# KiCad board Duet3_MB.kicad_pcb (continued)
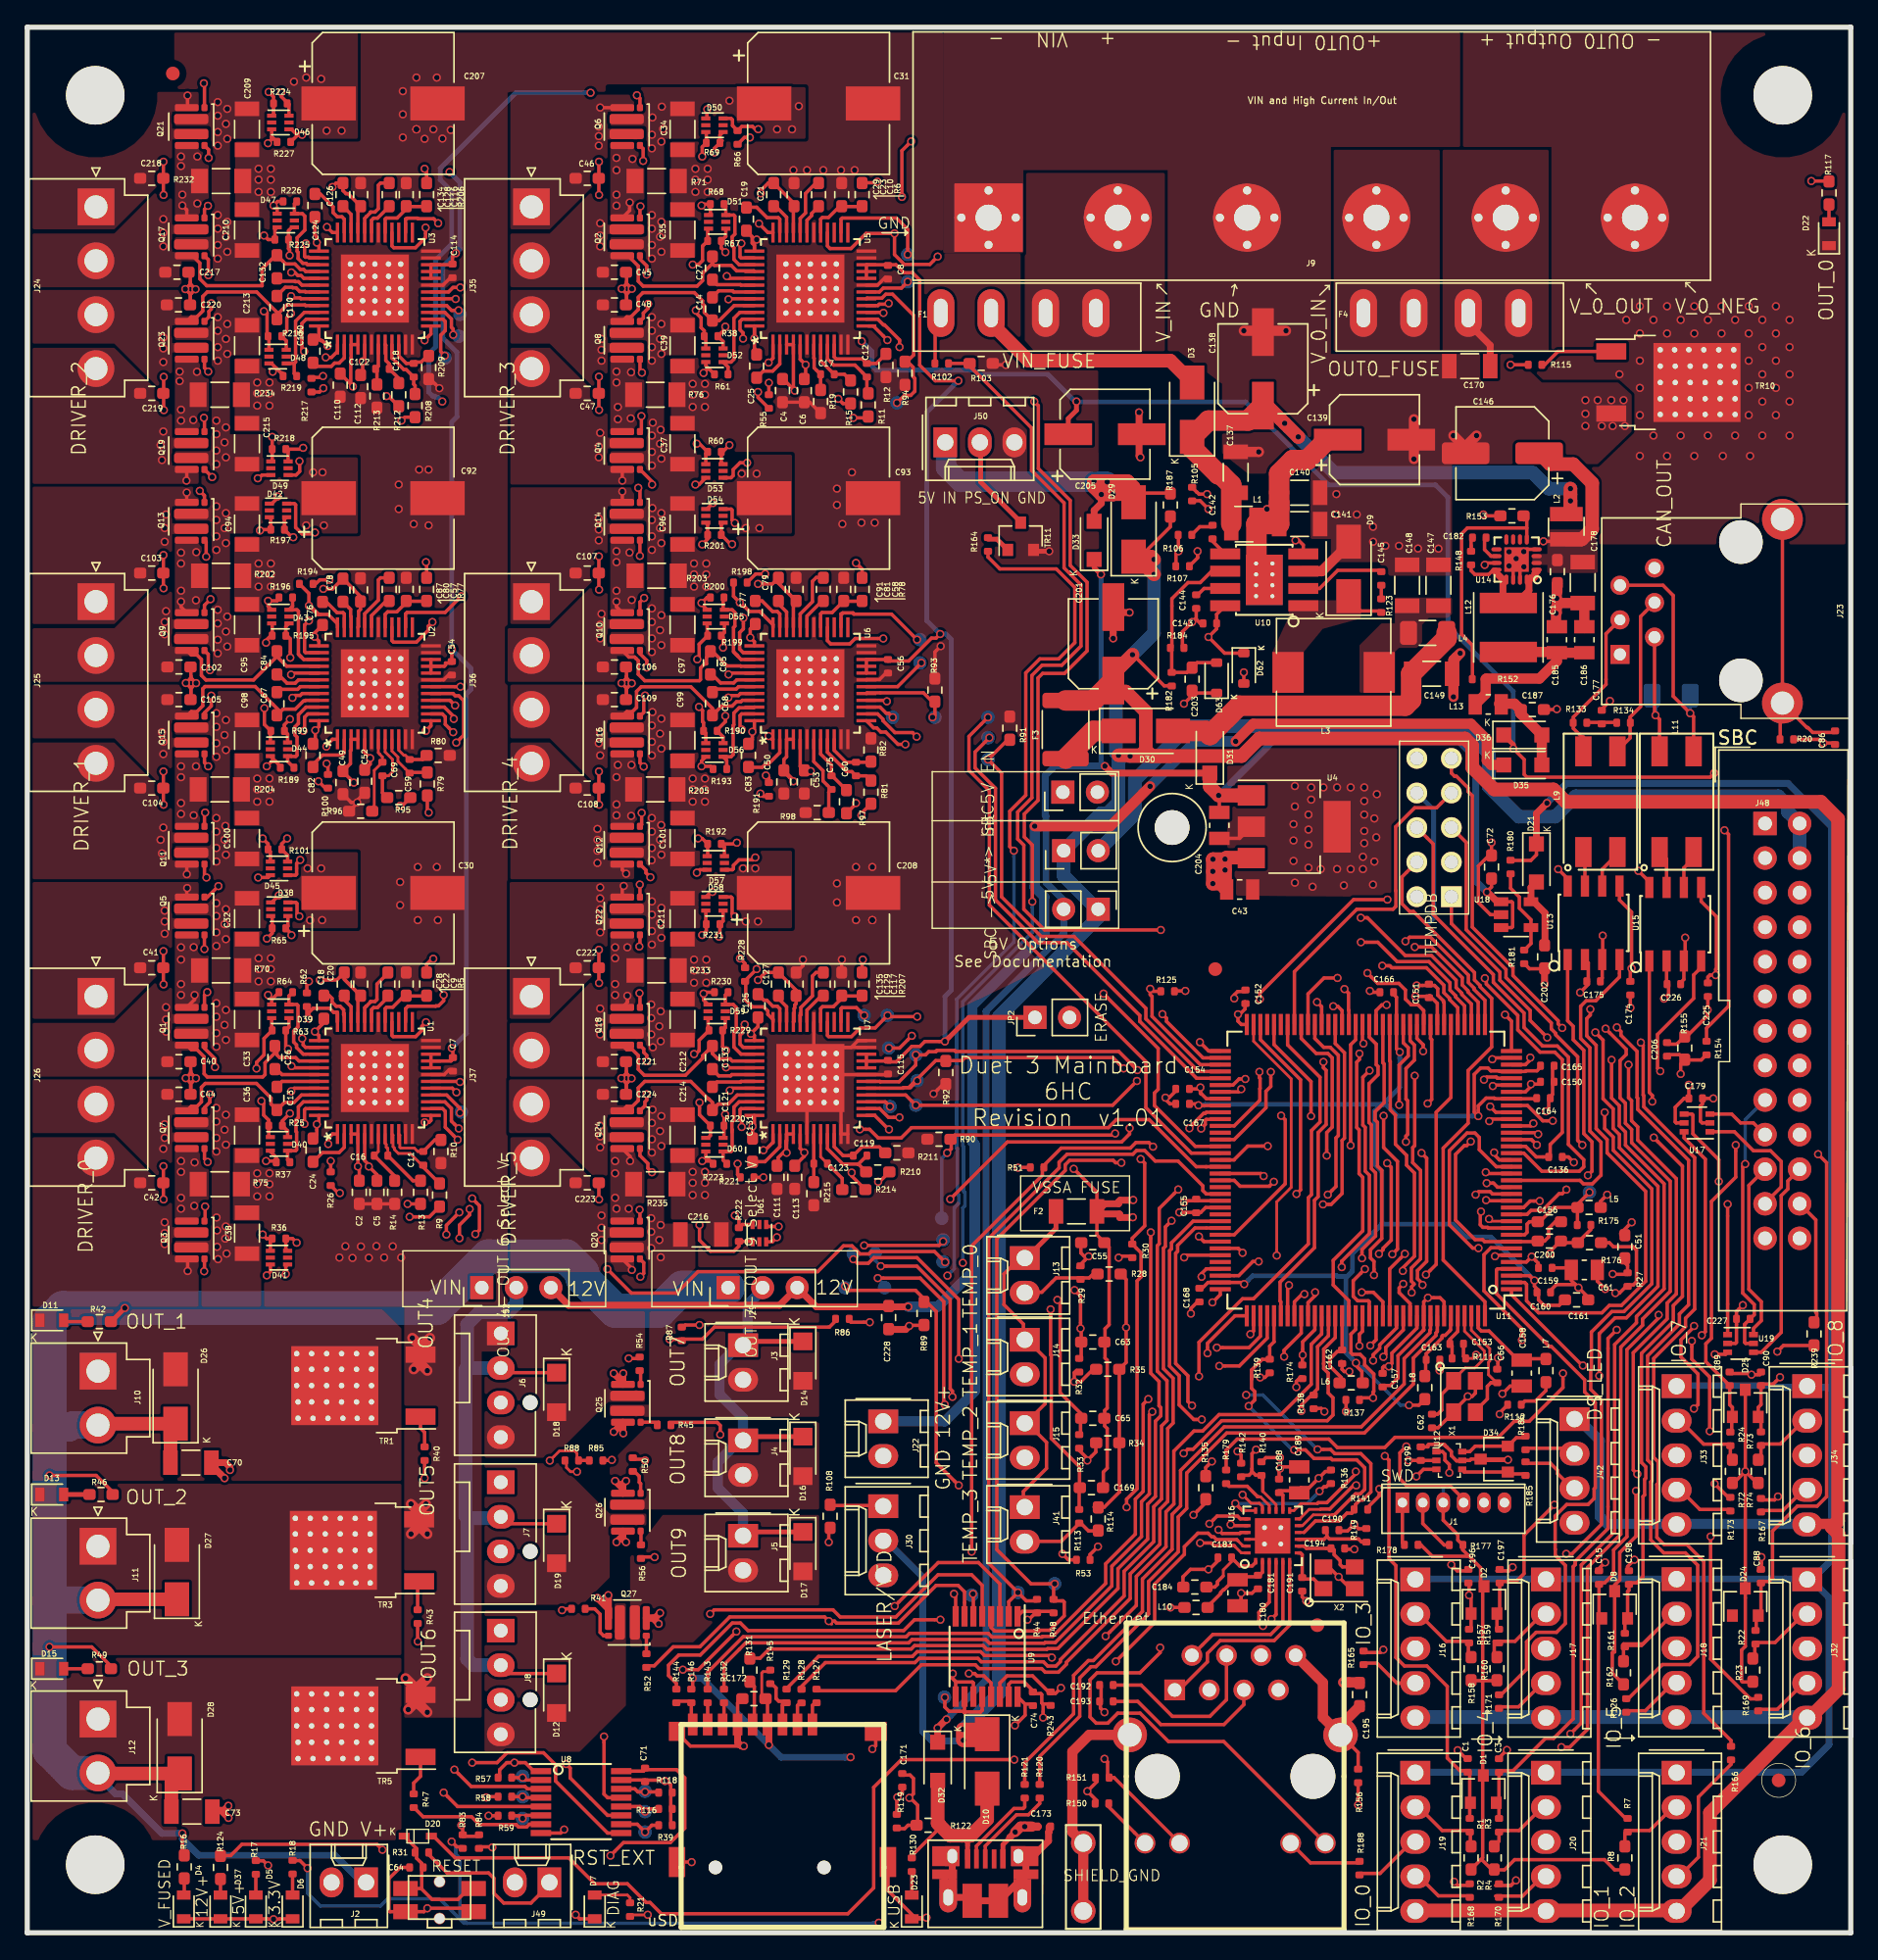
[diagram p0: board, top side]
## Routing (per net, layer and track width the routed paths; a pad name or vN(x,y) marks a point on that pad's centre or on a via; arc(x,y) is an arc through that point) (continued)
/Stepper Driver & Endstops/D5_SRAH: length 4.7
  Top w0.2: C123.2 58.3,57.01 U7.8
  Top w0.25: C123.2 59.89,55.42 R214.1
/Stepper Driver & Endstops/D5_SRAL: length 5.2
  Top w0.2: U7.7 57.8,56.69
  Top w0.25: C123.1 R215.1 ; 57.8,56.8 U7.7
/Stepper Driver & Endstops/D5_SRAT: length 28.7
  Top w0.25: Q18.2 44.1,68.37 v1(44.1,68.84) ; R214.2 60.58,55.61 v1(60.58,55.85)
  In1.Cu w0.25: v1(44.1,68.84) 44.1,63.98 45.16,62.92 51.51,62.92 55.18,59.25 55.18,57.02 56.35,55.85 v1(60.58,55.85)
  vias: v1(43.2,72.4) v1(43.2,71.6) v1(43.2,69.7) v1(43.2,68.9) v1(44.1,72.4)
/Stepper Driver & Endstops/D5_SRBH: length 5.6
  Top w0.25: 61.05,56.45 61.03,56.47 59.94,56.47 58.8,57.61 U7.9 ; 61.05,56.45 C119.2 ; 61.05,56.45 61.1,56.45 R210.1
/Stepper Driver & Endstops/D5_SRBL: length 5.4
  Top w0.25: R211.1 62.62,57.73 61.33,57.73 C119.1 59.95,57.1 59.3,57.75 U7.10
/Stepper Driver & Endstops/D5_SRBT: length 25.6
  Top w0.25: R210.2 62.63,55.18 v1(62.53,55.18) ; Q24.3 44.3,57.04 v1(44.3,56.7)
  In1.Cu w0.25: v1(62.53,55.18) 61.93,54.58 56.82,54.58 54.73,56.67 54.73,58.82 53.54,60.01 52.06,60.01 49.37,57.33 47.99,57.33 47.36,56.7 v1(44.3,56.7)
  vias: v1(43.2,56.7) v1(43.2,55.8) v1(43.2,54) v1(43.3,53.2) v1(44.2,53.2)
/Stepper Driver & Endstops/D5_VCC: length 4.5
  Top w0.25: U7.29 58.3,67.9 58.44,68.04 59.24,68.04 59.85,68.65 59.85,68.82 61.35,68.82
/Stepper Driver & Endstops/D5_VCP: length 2.2
  Top w0.25: U7.34 55.8,68.04 55.2,68.64 C127.1
CAN0_H: length 10.3
  Top w0.25: J23.2 119.58,89.52 v1(119.65,89.45) 119.95,89.15 L11.4
  Bottom w0.25: 119.4,91.1 119.65,90.85 v1(119.65,89.45)
CAN0_L: length 17
  Top w0.25: v1(122.2,89.6) 120.95,90.85 120.95,98.25 120.2,99 J23.5 ; v1(122.2,89.6) 122.15,89.55 ; v1(122.2,89.6) 122.45,89.35 L11.3
  Bottom w0.25: 122.1,90.2 122.2,90.1 v1(122.2,89.6)
CAN1_H: length 11.4
  Top w0.25: J23.3 116.01,95.44 116.01,91.72 113.62,89.32 113.62,88.48 114.25,87.85 114.35,87.85 114.35,86.85
CAN1_L: length 12
  Top w0.25: J23.4 118.55,96.71 118.55,90.09 117.78,89.32 117.78,87.78 116.85,86.85
CANRX0: length 23.9
  Top w0.25: U11.31 107.77,62.28 v1(107.7,62.21) ; v1(120,63.3) 119.8,63.5 119.8,66 122.46,68.66 122.46,70.38 123,70.93 U15.4
  In1.Cu w0.25: v1(120,63.3) 119.7,63 117.52,63 117.23,63.29 111.32,63.29 111.17,63.14 108.63,63.14 v1(107.7,62.21)
CANRX1: length 25
  Top w0.25: U11.17 114.1,55.28 114.35,55.03 115.01,55.03 115.65,55.66 115.65,58.09 114.83,58.9 114.83,65.02 114.15,65.7 114.15,68.07 114.56,68.48 115.26,68.48 117,70.22 U13.4
CANTX0: length 24.7
  Top w0.25: v1(119.42,61.07) 119.42,61.52 119.19,61.74 U15.1 ; U11.26 107.58,59.78 v1(107.43,59.63)
  In1.Cu w0.25: v1(119.42,61.07) 112.01,61.07 112,61.08 108.88,61.08 v1(107.43,59.63)
CANTX1: length 45
  Top w0.25: v1(91.6,55.18) 91.27,54.84 89.13,54.84 88.69,55.28 U11.92 ; v1(114.68,55.65) 114.98,55.95 114.98,58.11 114.38,58.71 114.38,64.84 113.6,65.61 113.6,66.6 113.19,67 U13.1
  In1.Cu w0.25: v1(114.68,55.65) 108.29,55.65 107.44,56.5 106.7,56.5 105.97,55.77 93.98,55.77 93.94,55.81 92.59,55.81 91.96,55.18 v1(91.6,55.18)
DIAG_LED: length 82.2
  Top w0.2: 44.3,1.31 45.59,1.31 v1(45.6,1.33)
  Top w0.25: v1(79.25,21.79) 81.5,24.05 81.5,26.18 83.68,28.36 83.68,30.93 84.26,31.5 84.26,35.39 85.74,36.87 86.38,36.87 87.58,38.07 92.13,38.07 94.35,40.3 94.35,43.23 95.12,44 U11.120
  In1.Cu w0.25: v1(79.25,21.79) 79.25,17.17 73.95,11.88 67.82,11.88 62.85,6.91 62.85,2.44 61.35,0.94 45.99,0.94 v1(45.6,1.33)
DRIVER_0_A+: length 21.5
  Top w0.25: Q5.2 11.73,76.72 v1(11.75,76.75) ; 21.7,67.05 21.7,66.77 v1(21.14,66.21) 21.15,66.21 21.44,65.92 U1.37
  In1.Cu w0.25: v1(21.14,66.21) 20.62,66.21 20.51,66.33 20.15,66.33 18.98,67.5 18.98,70.44 20.04,71.5 20.04,73.58 18.1,75.51 17.3,75.51 16.55,76.27 12.24,76.27 v1(11.75,76.75) 11.67,76.84
  vias: v1(10.1,75.1) v1(10.1,74.3) v1(10.1,73.4)
DRIVER_0_A-: length 13.8
  Top w0.25: 18.35,65.15 18.35,64.49 18.54,64.3 19.72,64.3 19.97,64.05 U1.40 ; C26.1 18.2,64.64 17.47,63.92 17.47,63.05 17.3,62.87 13.24,62.87 13,63.11 13,64.36 12.48,64.88 12.06,64.88 Q1.3
  vias: v1(10.2,68) v1(10.2,67.1) v1(10.2,66.2)
DRIVER_0_B+: length 12.7
  Top w0.25: Q7.2 12.06,60.72 12.48,60.72 12.8,61.04 12.8,62.12 13.08,62.4 16.85,62.4 17.92,61.33 17.92,60.88 C13.1 18.91,61.01 19.61,61.01 20.15,61.55 U1.45
  vias: v1(10,57.6) v1(10.1,59.4) v1(10.1,58.4)
DRIVER_0_B-: length 22.3
  Top w0.25: v1(11.79,48.62) 11.79,49.44 Q3.3 ; 21,58.38 21.28,58.66 v1(21.28,59.4) 21.44,59.55 U1.48
  In1.Cu w0.25: v1(21.28,59.4) 21.28,50.84 20.31,49.87 18.27,49.87 17.02,48.62 14.01,48.62 13.3,49.33 12.5,49.33 v1(11.79,48.62)
  vias: v1(10.1,52.2) v1(10.1,51.4) v1(10.1,50.6)
DRIVER_0_DIAG0: length 100.1
  Top w0.25: v1(87.09,46.31) 87.1,46.31 87.67,46.88 U11.108 ; v1(62.72,48.97) 65.37,48.97 67.82,46.53 67.82,39.96 67.99,39.8 v1(67.99,39.37) ; U1.26 27.8,67.9 27.98,68.07 30.01,68.07 30.04,68.1 30.22,68.1 30.6,68.48 v1(30.6,68.9)
  In1.Cu w0.25: v1(67.99,39.37) 68.36,39.75 72.02,39.75 72.39,39.38 78.44,39.38 81.55,42.49 81.61,42.49 85.43,46.31 v1(87.09,46.31) ; v1(30.6,68.9) 30.6,67.78 32.65,65.73 32.65,61.93 31.84,61.13 31.76,61.13 31.07,60.45 31.07,59.34 30.73,58.99 30.73,58.88 29.72,57.88 29.72,50.71 30.96,49.48 39.42,49.48 40.56,48.34 40.56,47.28 42.6,45.23 47.04,45.23 50.39,48.58 61.9,48.58 62.3,48.97 v1(62.72,48.97)
  Bottom w0.25: TP3.1 62.3,49.4 v1(62.72,48.97)
DRIVER_0_DIR: length 93.8
  Top w0.25: v1(62.5,48.1) 65.61,48.1 67.35,46.36 67.35,38.88 v1(67.42,38.81) ; U11.109 88.75,45.33 86.73,43.31 v1(86.73,42.58) ; v1(31.8,62.51) 31.76,62.55 U1.18
  In1.Cu w0.25: v1(62.5,48.1) 61.72,48.1 59.4,45.77 49,45.77 47.55,44.33 42.2,44.33 39.66,46.88 39.66,47.96 39.04,48.58 30.59,48.58 28.82,50.34 28.82,58.26 29.83,59.26 29.83,59.36 30.17,59.71 30.17,61.31 31.38,62.51 v1(31.8,62.51) ; v1(67.42,38.81) 67.72,38.51 69.4,38.51 69.78,38.89 78.6,38.89 81.75,42.04 81.8,42.04 82.33,42.58 v1(86.73,42.58)
  Bottom w0.25: v1(62.5,48.1) 63,47.6 TP2.1
DRIVER_0_SDO: length 36.1
  Top w0.25: U1.16 30.82,61.55 31.8,60.58 v1(31.8,60.25) ; U2.15 30.65,90.05 31.35,89.35 v1(31.35,89.19)
  In1.Cu w0.25: v1(31.8,60.25) 33.2,61.65 33.2,66.23 32.23,67.2 32.23,68.3 32.17,68.36 32.17,81.63 32.18,81.64 32.18,85.08 30.35,86.91 30.35,87.97 30.37,87.99 30.37,88.22 v1(31.35,89.19)
DRIVER_0_STEP: length 101.1
  Top w0.25: v1(68.45,32.87) 66.8,34.53 66.8,45.64 66.06,46.38 65.9,46.38 ; v1(87.42,42.99) 89.78,42.99 90.62,43.83 U11.111 ; 66.1,46.38 65.27,47.2 60.4,47.2 v1(60.1,47.5) ; U1.17 31.24,62.05 v1(31.54,61.75)
  In1.Cu w0.25: v1(87.42,42.99) 87.42,42.35 87.03,41.96 82.34,41.96 81.98,41.59 81.94,41.59 80.4,40.06 80.4,36.27 77.01,32.87 v1(68.45,32.87) ; v1(60.1,47.5) 58.82,46.22 48.81,46.22 47.37,44.78 42.39,44.78 40.11,47.07 40.11,48.15 39.23,49.03 30.78,49.03 29.27,50.53 29.27,58.07 30.28,59.07 30.28,59.17 30.62,59.52 30.62,60.83 v1(31.54,61.75)
DRIVER_1_A+: length 19.7
  Top w0.25: U2.37 21.44,94.89 v1(21.11,95.22) 21.11,95.49 C76.1 ; v1(11.72,105.81) 11.72,105.09 Q13.2
  In1.Cu w0.25: v1(11.72,105.81) 12.22,105.31 12.98,105.31 13.1,105.43 14.2,105.43 14.31,105.31 16.06,105.31 18.83,102.54 18.83,102.33 19.64,101.52 19.64,98 19.62,97.99 19.62,96.88 19.78,96.72 19.78,96.12 20.69,95.22 v1(21.11,95.22)
  vias: v1(10.1,103.2) v1(10.1,102.2) v1(10.2,104.2)
DRIVER_1_A-: length 12.3
  Top w0.25: U2.40 21.43,93.06 19.06,93.06 18.35,93.76 16.63,92.04 13.14,92.04 12.8,92.38 12.8,93.56 12.48,93.88 12.06,93.88 Q9.3
  vias: v1(10.1,96.3) v1(10.1,95.4) v1(10.2,97.1)
DRIVER_1_B+: length 12.7
  Top w0.25: C67.1 18.8,89.9 19.7,89.9 20.3,90.5 20.4,90.5 20.45,90.55 U2.45 ; Q15.2 12.06,89.72 12.48,89.72 12.9,90.14 12.9,91.4 13.06,91.56 16.75,91.56 18.52,89.79
  vias: v1(9.9,88.2) v1(10,87.5) v1(10,86.6)
DRIVER_1_B-: length 20.5
  Top w0.25: v1(11.73,77.77) 11.73,77.78 Q11.3 ; U2.48 21.44,88.62 v1(21.17,88.35) 21.17,87.54 21,87.38
  In1.Cu w0.25: v1(11.73,77.77) 12.12,78.16 13.48,78.16 13.57,78.07 16.58,78.07 18.29,79.77 19.5,79.77 20.71,80.98 20.71,84.95 21.17,85.41 v1(21.17,88.35)
  vias: v1(9.8,80.3) v1(9.9,79.3) v1(10,81.2)
DRIVER_1_DIAG0: length 119.1
  Top w0.25: v1(31.9,98.2) 30.71,97.01 27.91,97.01 27.8,96.9 U2.26 ; v1(67.45,49.27) 66.67,50.05 62.03,50.05 61.85,49.88 61.2,49.88 60.61,50.47 59.98,50.47 58.09,48.58 49.29,48.58 47.71,47 44.39,47 v1(42.63,48.76) ; U11.103 85.18,49.78 v1(85.02,49.62) ; v1(32.7,53.95) 33.23,53.42 33.23,51.63 v1(32.93,51.33)
  In1.Cu w0.25: v1(67.45,49.27) 68.17,49.99 69.65,49.99 71.35,48.29 71.35,46.99 73.34,45 76.77,45 77,45.23 80.62,45.23 v1(85.02,49.62) ; v1(31.9,98.2) 35.37,94.73 35.37,56.63 v1(32.7,53.95) ; v1(32.93,51.33) 39.47,51.33 42.04,48.76 v1(42.63,48.76)
DRIVER_1_DIR: length 110
  Top w0.25: v1(31.76,51.03) 31.76,52 32.51,52.75 v1(32.51,53.17) ; v1(61.5,50.5) 67,50.5 v1(67.3,50.8) ; U2.18 v1(31.83,91.55) ; U11.101 86.47,50.78 v1(86.1,51.16)
  In1.Cu w0.25: v1(86.1,51.16) 86.04,51.21 83.66,51.21 79.86,47.41 78.52,47.41 77.69,46.58 76.67,46.58 74.95,48.3 71.98,48.3 69.48,50.8 v1(67.3,50.8) ; v1(31.83,91.55) 34.92,88.46 34.92,57.7 32.03,54.8 32.03,53.66 v1(32.51,53.17) ; v1(61.5,50.5) 60.84,50.5 59.81,49.48 50.02,49.48 46.67,46.13 42.98,46.13 41.46,47.65 41.46,48.71 39.79,50.38 32.42,50.38 v1(31.76,51.03)
DRIVER_1_SDO: length 35.2
  Top w0.25: v1(31.3,117.4) 31.3,117.82 31.17,117.95 31.17,118.57 30.69,119.05 U3.15 ; U2.16 31.06,90.55 v1(31.44,90.17)
  In1.Cu w0.25: v1(31.44,90.17) 31.14,90.47 31,90.47 30.35,91.12 30.35,91.19 30.02,91.52 30.02,94.83 30.4,95.21 30.4,98.7 32.13,100.43 32.13,113.84 30.96,115 30.64,115 30.06,115.59 30.06,116.16 v1(31.3,117.4)
DRIVER_1_STEP: length 133.2
  Top w0.25: U11.100 88.69,51.28 92.44,55.03 92.44,59.73 v1(92.14,60.03) ; v1(31.75,52.93) 30.8,51.98 v1(30.8,51.3) ; v1(79.94,58.73) 79.82,58.61 68.16,58.61 67.9,58.35 67.9,57.6 v1(67.6,57.3) ; U2.17 31.28,91.05 31.45,90.88 31.71,90.88 32.07,90.53 32.07,87.98 v1(31.52,87.44)
  In1.Cu w0.25: v1(67.6,57.3) 67,57.3 59.63,49.93 49.83,49.93 46.49,46.58 43.26,46.58 43.25,46.59 43.25,49.06 42.93,49.38 42.05,49.38 39.44,52 32.55,52 32.21,51.66 31.16,51.66 v1(30.8,51.3) ; v1(31.52,87.44) 34.47,84.49 34.47,57.89 31.58,54.99 31.58,53.1 v1(31.75,52.93) ; v1(92.14,60.03) 92.11,60 89.18,60 88.9,59.71 85.56,59.71 85.3,59.98 82.76,59.98 81.2,58.43 80.24,58.43 v1(79.94,58.73)
  Bottom w0.25: TP4.1 67.2,56.9 v1(67.6,57.3)
DRIVER_2_A+: length 22.2
  Top w0.25: Q21.2 11.78,134.14 v1(11.78,134.98) ; C124.1 21.14,124.75 21.28,124.61 v1(21.28,124.18) 21.44,124.03 U3.37
  In1.Cu w0.25: v1(11.78,134.98) 12.2,134.98 12.43,135.21 16.73,135.21 19.21,132.73 20.5,132.73 20.83,132.4 20.83,131.99 21.28,131.54 v1(21.28,124.18)
DRIVER_2_A-: length 13.5
  Top w0.25: U3.40 20.47,122.05 20.31,122.21 20.07,122.21 19.67,122.61 18.99,122.61 C132.1 18.26,123.25 17.26,122.25 17.26,121.01 13.19,121.01 12.69,121.51 12.69,122.67 12.15,123.21 Q17.3
  vias: v1(10,125.9) v1(10,124.9) v1(10,123.9)
DRIVER_2_B+: length 13
  Top w0.25: Q23.2 12.06,118.72 12.47,118.72 12.9,119.15 12.9,120.22 13.23,120.55 16.86,120.55 18.35,119.06 C120.1 18.35,118.87 19.08,119.6 20.41,119.6 20.45,119.55 U3.45
  vias: v1(10,117.2) v1(10,116.4) v1(10,115.4)
DRIVER_2_B-: length 24.6
  Top w0.25: Q19.3 11.73,106.72 v1(11.7,106.69) ; 21.57,116.98 21.67,116.98 v1(22.07,116.58) ; 21.57,116.98 21.5,117.05 20.8,117.05 ; 21.57,116.98 21.44,117.11 U3.48
  In1.Cu w0.25: v1(22.07,116.58) 22.6,116.05 22.6,114.8 22.41,114.61 22.41,112.53 22.36,112.48 22.36,107.05 21.8,106.49 17.67,106.49 17.23,106.04 16.6,106.04 16.43,106.22 14.68,106.22 14.57,106.33 13.23,106.33 12.86,106.69 v1(11.7,106.69)
  vias: v1(9.8,109.3) v1(9.9,108.2) v1(10,110.3)
DRIVER_2_DIAG0: length 135.5
  Top w0.25: v1(70.6,89.3) 69.2,87.9 69.2,85.4 70.7,83.9 70.7,75.5 82.2,64 82.2,60.62 85.54,57.28 U11.88 ; v1(30.2,125.6) 29.87,125.93 28.72,125.93 28.68,125.97 27.92,125.97 27.88,125.93 27.83,125.93 27.8,125.9 U3.26
  In1.Cu w0.25: v1(70.6,89.3) 70.6,103.34 66,107.94 66,111.02 67.1,112.12 67.1,115.71 68.95,117.56 68.95,120.65 67.85,121.75 67.29,121.75 66.28,122.77 66.28,128.57 57,137.85 39.76,137.85 32.56,130.65 32.56,127.96 v1(30.2,125.6)
DRIVER_2_DIR: length 132.4
  Top w0.25: v1(31.82,120.88) 31.29,120.88 30.96,120.55 U3.18 ; v1(70.7,87.8) 69.65,86.75 69.65,85.59 71.15,84.09 71.15,75.89 74.29,72.75 76.4,72.75 81.75,67.4 81.75,66.96 85.93,62.78 U11.77
  In1.Cu w0.25: v1(31.82,120.88) 33.01,122.07 33.01,130.46 39.95,137.4 56.66,137.4 65.83,128.24 65.83,122.37 66.9,121.3 67.66,121.3 68.5,120.46 68.5,117.75 66.62,115.87 66.62,112.28 65.55,111.21 65.55,107.75 68.65,104.65 68.65,92.71 69.9,91.46 69.9,88.6 v1(70.7,87.8)
DRIVER_2_SDO: length 61.5
  Top w0.25: v1(31.7,119.2) 31.17,119.2 30.82,119.55 U3.16 ; v1(62.92,119.01) 62.88,119.05 U5.15
  In1.Cu w0.25: v1(31.7,119.2) 34.08,121.57 34.08,130.06 40.51,136.5 56.29,136.5 63.92,128.87 63.92,128.1 62.62,126.79 62.62,119.31 v1(62.92,119.01)
DRIVER_2_STEP: length 130.6
  Top w0.25: U3.17 31.47,120.05 v1(31.48,120.04) ; U11.76 86.07,63.28 82.2,67.14 82.2,67.92 76.92,73.2 74.51,73.2 71.6,76.11 71.6,85.2 v1(70.6,86.2) 72.05,87.65 R91.1
  In1.Cu w0.25: v1(31.48,120.04) 31.86,120.04 33.62,121.8 33.62,130.44 40.13,136.95 56.48,136.95 65.38,128.05 65.38,122.19 65.8,121.76 65.8,112.1 65.1,111.39 65.1,107.57 68.2,104.47 68.2,92.53 69.4,91.33 69.4,87.4 v1(70.6,86.2)
DRIVER_3_A+: length 23
  Top w0.25: Q6.2 42.11,134.09 v1(42.1,134.1) ; v1(53.6,124.4) 53.44,124.24 U5.37 53.44,123.98 53.27,124.14 53.27,124.6 52.85,125.03
  In1.Cu w0.25: v1(53.6,124.4) 52.6,125.4 52.6,129.8 47.5,134.9 45.7,134.9 44.9,134.1 v1(42.1,134.1)
  vias: v1(42,132.7) v1(42,132) v1(42,131.3)
DRIVER_3_A-: length 13
  Top w0.25: Q2.3 44.15,123.21 44.9,122.46 44.9,121.34 45.26,120.98 49.23,120.98 49.62,121.38 49.62,121.92 50.35,122.64 ; 50.35,122.64 50.49,122.5 51.73,122.5 52.13,122.1 53.39,122.1 U5.40 ; 50.35,122.64 C27.1
  vias: v1(42.1,125.6) v1(42.1,124.7) v1(42.1,123.9)
DRIVER_3_B+: length 12.8
  Top w0.25: Q8.2 44.06,118.72 44.36,118.72 44.9,119.26 44.9,120.16 45.24,120.5 49.03,120.5 49.62,119.9 49.62,119.68 49.75,119.55 49.75,119.05 C14.1 50.85,118.45 51.95,119.55 U5.45
  vias: v1(42.2,117.1) v1(42.2,116.3) v1(42.2,115.5)
DRIVER_3_B-: length 21.7
  Top w0.25: Q4.3 43.73,106.69 v1(43.73,106.69) ; 53.6,116.25 53.44,116.41 U5.48 v1(53.44,117.14)
  In1.Cu w0.25: v1(43.73,106.69) 44.16,107.12 50.35,107.12 52.95,109.73 52.95,114.73 53.44,115.21 v1(53.44,117.14)
  vias: v1(42,109.2) v1(42,108.4) v1(42.1,110.2)
DRIVER_3_DIAG0: length 101.5
  Top w0.25: U11.39 106.12,68.24 105.42,68.94 105.42,69.03 105,69.45 105,69.99 103.19,71.8 101.25,71.8 98.48,74.57 v1(97.99,74.57) ; U5.26 59.8,125.9 59.88,125.98 63.87,125.98 64.7,125.15 v1(64.7,123.3)
  In1.Cu w0.25: v1(97.99,74.57) 81.44,74.57 80.53,73.67 70.03,73.67 68.95,74.75 68.95,91.14 67.75,92.34 67.75,104.28 64.65,107.38 64.65,111.58 65.35,112.28 65.35,121.57 64.7,122.22 v1(64.7,123.3)
DRIVER_3_DIR: length 97.8
  Top w0.25: U11.37 107.12,68.51 106.32,69.31 106.32,69.4 105.9,69.82 105.9,70.36 103.12,73.14 101.58,73.14 v1(101.28,72.84) ; v1(64.7,121.3) 64.23,120.83 62.91,120.83 62.62,120.55 U5.18
  In1.Cu w0.25: v1(64.7,121.3) 64.7,120.88 64.9,120.68 64.9,112.48 64.2,111.77 64.2,107.19 66.46,104.93 66.46,92.99 68.5,90.95 68.5,88.4 67.93,87.82 67.93,86.97 67.57,86.62 67.57,73.76 68.29,73.05 83.6,73.05 83.75,73.2 97.45,73.2 97.64,73.4 100.72,73.4 v1(101.28,72.84)
DRIVER_3_SDO: length 37.6
  Top w0.25: U5.16 62.51,119.55 62.61,119.65 63.24,119.65 v1(63.3,119.71) ; U6.15 62.67,90.05 63.12,89.6 63.3,89.6 v1(63.6,89.3)
  In1.Cu w0.25: v1(63.6,89.3) 63.18,89.3 62.28,90.2 62.28,95.42 63.85,96.99 63.85,104.22 61.79,106.28 61.79,113.51 62.12,113.84 62.12,117.45 62.91,118.24 63.13,118.24 63.55,118.66 63.55,119.47 v1(63.3,119.71)
DRIVER_3_STEP: length 98.3
  Top w0.25: U5.17 61.71,120.1 62.81,120.1 63.09,120.38 63.59,120.38 65.13,118.84 65.13,115.92 64.67,115.45 ; U11.38 106.62,68.37 105.87,69.12 105.87,69.21 105.45,69.63 105.45,70.17 103.2,72.43 v1(101.96,72.43) ; 64.67,115.45 64.5,115.45 ; 64.67,115.45 65.1,115.01 65.1,114.32 65.23,114.19 65.23,113.26 64.92,112.95 64.46,112.95 v1(63.91,112.4)
  In1.Cu w0.25: v1(63.91,112.4) 63.75,112.24 63.75,107.01 66.01,104.75 66.01,94.58 65.08,93.65 65.08,92.8 67.6,90.28 67.6,88.77 67.03,88.2 67.03,87.35 66.67,87 66.67,73.39 67.92,72.15 83.97,72.15 84.12,72.3 97.55,72.3 97.7,72.15 101.68,72.15 v1(101.96,72.43)
DRIVER_4_A+: length 20.8
  Top w0.25: v1(43.73,105.89) 43.73,105.09 Q14.2 ; U6.37 53.44,94.85 v1(53.13,95.16) 53.13,95.78 C77.1
  In1.Cu w0.25: v1(53.13,95.16) 51.96,95.16 51.17,95.95 51.17,103.22 50,104.4 49,104.4 48.09,105.3 44.32,105.3 v1(43.73,105.89)
  vias: v1(42,103.9) v1(42,103.1) v1(42,102.3)
DRIVER_4_A-: length 13.3
  Top w0.25: U6.40 52.45,93.05 52.43,93.08 51.42,93.08 50.35,94.15 49.92,93.72 49.92,93.23 49.78,93.23 49.47,92.92 49.47,92.07 49.39,91.99 45.37,91.99 44.9,92.46 44.9,93.46 44.74,93.62 44.73,93.62 44.63,93.73 44.21,93.73 Q10.3
  vias: v1(42.1,96.1) v1(42.1,95.1) v1(42.2,96.9)
DRIVER_4_B+: length 12.9
  Top w0.25: U6.45 52.55,90.55 52.45,90.45 52.13,90.45 51.8,90.13 51.03,90.13 C68.1 50.35,89.96 48.77,91.54 45.11,91.54 44.78,91.2 44.78,90.02 44.48,89.72 44.06,89.72 Q16.2
  vias: v1(42,87.4) v1(42.1,88.2) v1(42.1,86.5)
DRIVER_4_B-: length 20.9
  Top w0.25: v1(44.01,77.81) 43.73,78.09 Q12.3 ; 53,87.38 53.28,87.66 v1(53.28,88.24) 53.44,88.39 U6.48
  In1.Cu w0.25: v1(53.28,88.24) 53.28,84.03 53.25,84 53.25,83.4 53.28,83.36 53.28,80.34 52.31,79.37 49.77,79.37 48.57,78.18 44.38,78.18 v1(44.01,77.81)
  vias: v1(41.9,81.1) v1(41.9,80.3) v1(41.9,79.5) v1(41.9,78.6)
DRIVER_4_DIAG0: length 116.3
  Top w0.25: U11.2 110.04,47.78 110.17,47.64 110.17,46.43 111.06,45.55 115.71,45.55 116.25,46.09 117.15,46.09 118.93,47.87 118.93,54.47 116.1,57.3 116.1,58.27 115.29,59.08 115.29,65.21 114.6,65.9 114.6,67.17 114.86,67.43 v1(114.86,67.85) ; U6.26 59.8,96.9 59.82,96.88 59.86,96.88 59.86,96.91 59.92,96.97 60.68,96.97 60.74,96.91 60.74,96.88 63.51,96.88 v1(65.39,95)
  In1.Cu w0.25: v1(114.86,67.85) 114.44,67.85 113.41,68.87 111.1,68.87 110.8,69.17 105.02,69.17 102.5,71.7 97.51,71.7 97.36,71.85 84.31,71.85 84.16,71.7 67.73,71.7 66.22,73.2 66.22,87.18 66.58,87.53 66.58,88.38 67.15,88.96 67.15,90.1 64.63,92.62 64.63,94.25 v1(65.39,95)
DRIVER_4_DIR: length 68.5
  Top w0.25: v1(98,72.77) 99.24,72.77 100.67,71.35 103,71.35 104.55,69.8 104.55,69.26 104.97,68.84 104.97,68.75 105.62,68.1 U11.40 ; U6.18 63.96,91.55 v1(65.71,93.3)
  In1.Cu w0.25: v1(98,72.77) 97.98,72.75 83.93,72.75 83.78,72.6 68.1,72.6 67.12,73.58 67.12,86.81 67.48,87.16 67.48,88.01 68.05,88.58 68.05,90.53 65.71,92.88 v1(65.71,93.3)
DRIVER_4_SDO: length 35
  Top w0.25: U7.15 63.05,61.05 v1(63.4,60.7) ; U6.16 63.1,90.55 v1(63.17,90.47)
  In1.Cu w0.25: v1(63.17,90.47) 63.47,90.17 63.65,90.17 64.23,89.6 64.23,88.9 63.46,88.13 63.46,86.83 63.76,86.52 63.76,73.89 62.6,72.73 62.6,61.5 v1(63.4,60.7)
DRIVER_4_STEP: length 66.3
  Top w0.25: U11.41 105.12,67.97 104.52,68.57 104.52,68.66 104.1,69.07 104.1,69.61 102.81,70.9 100.28,70.9 100.13,71.05 v1(99.57,71.05) ; v1(66.52,89.3) 66.7,89.48 66.7,90.43 66.53,90.43 65.86,91.1 61.71,91.1 U6.17
  In1.Cu w0.25: v1(99.57,71.05) 99.15,71.05 98.95,71.25 97.33,71.25 97.18,71.4 84.49,71.4 84.34,71.25 67.46,71.25 65.77,72.94 65.77,87.37 66.13,87.72 66.13,88.9 v1(66.52,89.3)
DRIVER_5_A+: length 20.4
  Top w0.25: Q22.2 43.73,76.81 v1(43.83,76.91) ; C125.1 53.7,66.58 v1(53.17,66.05) 53.3,66.05 53.44,65.92 U7.37
  In1.Cu w0.25: v1(53.17,66.05) 53.47,66.35 53.47,66.91 51.75,68.63 51.75,73.15 48.51,76.39 45.32,76.39 45.31,76.39 44.35,76.39 v1(43.83,76.91)
  vias: v1(42.1,76.8) v1(42.1,76) v1(42.1,75.2) v1(42.1,74.4) v1(42.1,73.5)
DRIVER_5_A-: length 13
  Top w0.25: Q18.3 44.06,64.88 44.48,64.88 44.9,64.46 44.9,63.44 45.34,63 48.37,63 49.63,64.26 49.63,64.43 C133.1 50.35,64.6 50.74,64.21 51.65,64.21 51.81,64.05 U7.40
  vias: v1(42.1,67.9) v1(42.1,66.9) v1(42.1,66)
DRIVER_5_B+: length 12.8
  Top w0.25: Q24.2 44.06,60.72 44.48,60.72 44.9,61.14 44.9,62.07 45.38,62.55 48.76,62.55 50.05,61.25 50.1,61.25 50.35,61 C121.1 50.78,60.88 51.51,60.88 52.18,61.55 U7.45
  vias: v1(42.1,59.3) v1(42.1,58.5) v1(42.1,57.7)
DRIVER_5_B-: length 20.6
  Top w0.25: v1(44.43,48.7) 44.43,48.81 Q20.3 ; U7.48 53.44,59.38 v1(53.3,59.24) 53.3,59.24 C131.1
  In1.Cu w0.25: v1(44.43,48.7) 44.73,49 46.85,49 49.23,51.38 51.6,51.38 52.63,52.4 52.63,54.95 51.57,56 51.57,57.09 53.3,58.82 v1(53.3,59.24)
  vias: v1(42.2,52.7) v1(42.2,51.8) v1(42.2,50.9)
DRIVER_5_DIAG0: length 40.2
  Top w0.25: v1(61.5,67.4) 60.93,67.97 59.88,67.97 59.8,67.9 U7.26 ; 86.59,56.28 86.64,56.28 ; 86.64,56.28 U11.90 ; 86.64,56.28 85.91,56.28 82.45,59.74 80.03,59.74 79.44,59.15 64.98,59.15 64.23,58.4 62.53,58.4 61.9,59.03 v1(61.18,59.03)
  In1.Cu w0.25: v1(61.18,59.03) 61.5,59.35 v1(61.5,67.4)
DRIVER_5_DIR: length 36.8
  Top w0.25: U11.84 88.69,59.28 90.57,61.16 90.57,62.01 90.6,62.03 90.6,62.77 90.54,62.82 v1(90.54,63.25) ; v1(81.58,63.38) 80.21,64.75 68.23,64.75 68.23,64.76 68.16,64.83 66.84,64.83 66.77,64.76 66.77,64.74 66.24,64.74 66.01,64.5 v1(65.3,64.5) 65.3,64.15 65.29,64.14 65.29,63.75 64.06,62.52 62.69,62.52 62.66,62.55 U7.18
  In1.Cu w0.25: v1(90.54,63.25) 90.12,63.25 89.99,63.38 v1(81.58,63.38)
DRIVER_5_STEP: length 40.4
  Top w0.25: v1(91.38,63.24) 91.38,62.18 91.02,61.82 91.02,60.61 88.69,58.28 U11.86 ; v1(80.57,63.5) 79.78,64.3 68.9,64.3 68.68,64.07 66.75,64.07 64.77,62.1 64.4,62.1 ; 64.4,62.1 64.9,62.1 v1(65.4,62.6) ; 64.4,62.1 64.35,62.05 U7.17
  In1.Cu w0.25: v1(91.38,63.24) 91.38,63.67 90.58,64.48 81.54,64.48 v1(80.57,63.5)
DRIVER_CS: length 238.9
  Top w0.25: v1(83.42,67.49) 83.72,67.19 83.72,66.95 86.39,64.28 U11.74 ; 61.82,118.05 62.17,118.05 v1(63.21,117.02) ; v1(29.29,88.3) 29.66,88.67 U2.13 ; v1(65,65.9) 64.1,65 v1(63.33,65) ; v1(29.2,117) 29.66,117.46 U3.13 ; v1(64.27,127.53) 64.27,130.93 v1(64.96,131.61) ; U7.13 62.28,60.05 63.3,59.03 v1(63.33,59.03) ; v1(64.53,87.31) 63.99,87.31 63.08,88.22 62.73,88.22 62.42,88.53 62.19,88.53 U6.13 ; U1.13 29.66,59.68 29.53,59.55 v1(29.21,59.55)
  In1.Cu w0.25: v1(65,65.9) 64.67,65.57 64.67,60.5 64.77,60.4 64.77,59.07 64.5,58.8 64.1,58.8 ; v1(64.27,127.53) 64.27,127.11 64.5,126.88 64.5,124.74 63.62,123.86 63.62,120.91 64.45,120.09 64.45,118.16 63.6,117.32 63.51,117.32 v1(63.21,117.02) 63.21,113.46 62.69,112.95 62.69,106.65 64.75,104.59 64.75,96.62 63.53,95.4 63.53,91.74 65.13,90.14 65.13,88.53 64.53,87.93 v1(64.53,87.31) 64.77,87.07 64.77,73.64 63.88,72.74 63.88,66.49 63.33,65.93 v1(63.33,65) ; v1(83.42,67.49) 80.29,67.49 71.6,58.8 65.03,58.8 ; v1(64.96,131.61) 57.82,138.75 39.39,138.75 31.66,131.02 31.66,128.82 28.65,125.81 28.65,117.55 v1(29.2,117) 28.9,116.7 28.9,115.3 30.1,114.1 30.57,114.1 31.23,113.45 31.23,100.8 29.12,98.7 29.12,88.89 29.29,88.72 v1(29.29,88.3) 29.29,86.69 31.28,84.71 31.28,82.01 31.27,82 31.27,71.13 28.67,68.54 28.67,66.6 29.72,65.55 29.72,60.06 v1(29.21,59.55) ; v1(63.33,59.03) 63.87,59.03 64.1,58.8 ; 64.1,58.8 65.03,58.8 ; 65.03,58.8 64.66,58.8
DRIVER_ENN: length 245.5
  Top w0.25: v1(29.3,66.9) 29,66.6 29,66.3 28.54,65.84 26.89,65.84 26.8,65.93 U1.28 ; v1(66.9,123.15) 66.33,122.57 64.45,122.57 63.73,123.3 v1(63.73,124.85) 61.64,124.85 60.53,123.74 58.99,123.74 58.8,123.93 U5.28 ; v1(29.77,96.3) 29.47,96 29.47,95.7 28.6,94.82 26.91,94.82 26.8,94.93 U2.28 ; v1(62.91,95.09) 60.84,95.09 60.44,94.69 59.04,94.69 58.8,94.93 U6.28 ; U11.75 86.2,63.78 82.65,67.33 82.65,68.79 82.52,68.93 v1(82.52,69.35) 82.7,69.17 83.41,69.17 ; U7.28 58.8,65.93 58.89,65.84 60.56,65.84 61.2,66.47 62.3,66.47 v1(63.23,67.4) 63.31,67.31 v1(65.4,67.31) ; U3.28 26.8,123.93 26.93,123.8 28.52,123.8 29.27,124.55 v1(29.27,125.27)
  In1.Cu w0.2: 64,118.35 64,119.9 63.07,120.83
  In1.Cu w0.25: v1(63.23,67.4) 63.23,72.72 64.21,73.71 64.21,86.71 63.91,87.01 63.91,87.94 64.68,88.71 64.68,89.96 62.91,91.73 v1(62.91,95.09) 62.91,95.41 64.3,96.81 64.3,104.41 62.24,106.46 62.24,113.33 62.57,113.65 62.57,117.26 63.1,117.79 63.44,117.79 64,118.35 ; 63.07,120.83 63.07,124.2 v1(63.73,124.85) ; v1(82.52,69.35) 82.22,69.65 67.74,69.65 v1(65.4,67.31) ; v1(29.3,66.9) 29.3,68.53 31.72,70.94 31.72,81.82 31.73,81.83 31.73,84.9 29.9,86.72 29.9,88.16 29.92,88.18 29.92,90.98 29.57,91.33 29.57,95.68 29.77,95.88 v1(29.77,96.3) 29.77,98.71 31.68,100.61 31.68,113.65 30.77,114.55 30.43,114.55 29.61,115.38 29.61,116.38 30.05,116.82 30.05,124.5 v1(29.27,125.27) 29.27,125.8 32.11,128.64 32.11,130.84 39.57,138.3 57.39,138.3 66.9,128.79 v1(66.9,123.15)
DS_LED_CK_BUFF: length 4.6
  Top w0.25: 110.1,34.49 111.93,34.49 112.45,33.97 112.45,33.74 113.57,32.62 113.8,32.62
DS_LED_DO_BUFF: length 3.9
  Top w0.25: 110.1,35.6 113.36,35.6 113.8,35.16
ERASE: length 19.3
  Top w0.25: v1(79.09,69) 79.39,68.7 79.39,68.69 83.1,64.97 83.1,61.97 82.83,61.7 82.83,60.77 85.83,57.78 U11.87
  In1.Cu w0.25: JP2.2 78.34,69 v1(79.09,69)
ETH_LED_Y: length 60.6
  Top w0.25: U11.117 93.62,44.06 92.36,42.8 v1(92.36,42.33) ; J46.12 87.92,14.05 83.86,14.05 81.78,16.14 80.14,16.14 79.4,15.4 78.55,15.4 78.1,15.85 78.1,18.59 78.61,19.1 81.77,19.1 83.25,20.58 v1(83.25,20.95)
  In1.Cu w0.25: v1(83.25,20.95) 83.25,22.05 84.8,23.6 84.8,26 86.86,28.06 86.86,28.87 86.24,29.49 86.24,30.35 86.33,30.43 86.33,30.61 87.77,32.05 87.77,36.2 88.43,36.86 89.42,36.86 90.74,38.18 90.74,39.72 91.28,40.26 91.28,41.25 v1(92.36,42.33)